# Altium PCB Tigershark 3D R2.4 - TR.PcbDoc (part 1 of 4) (continued)
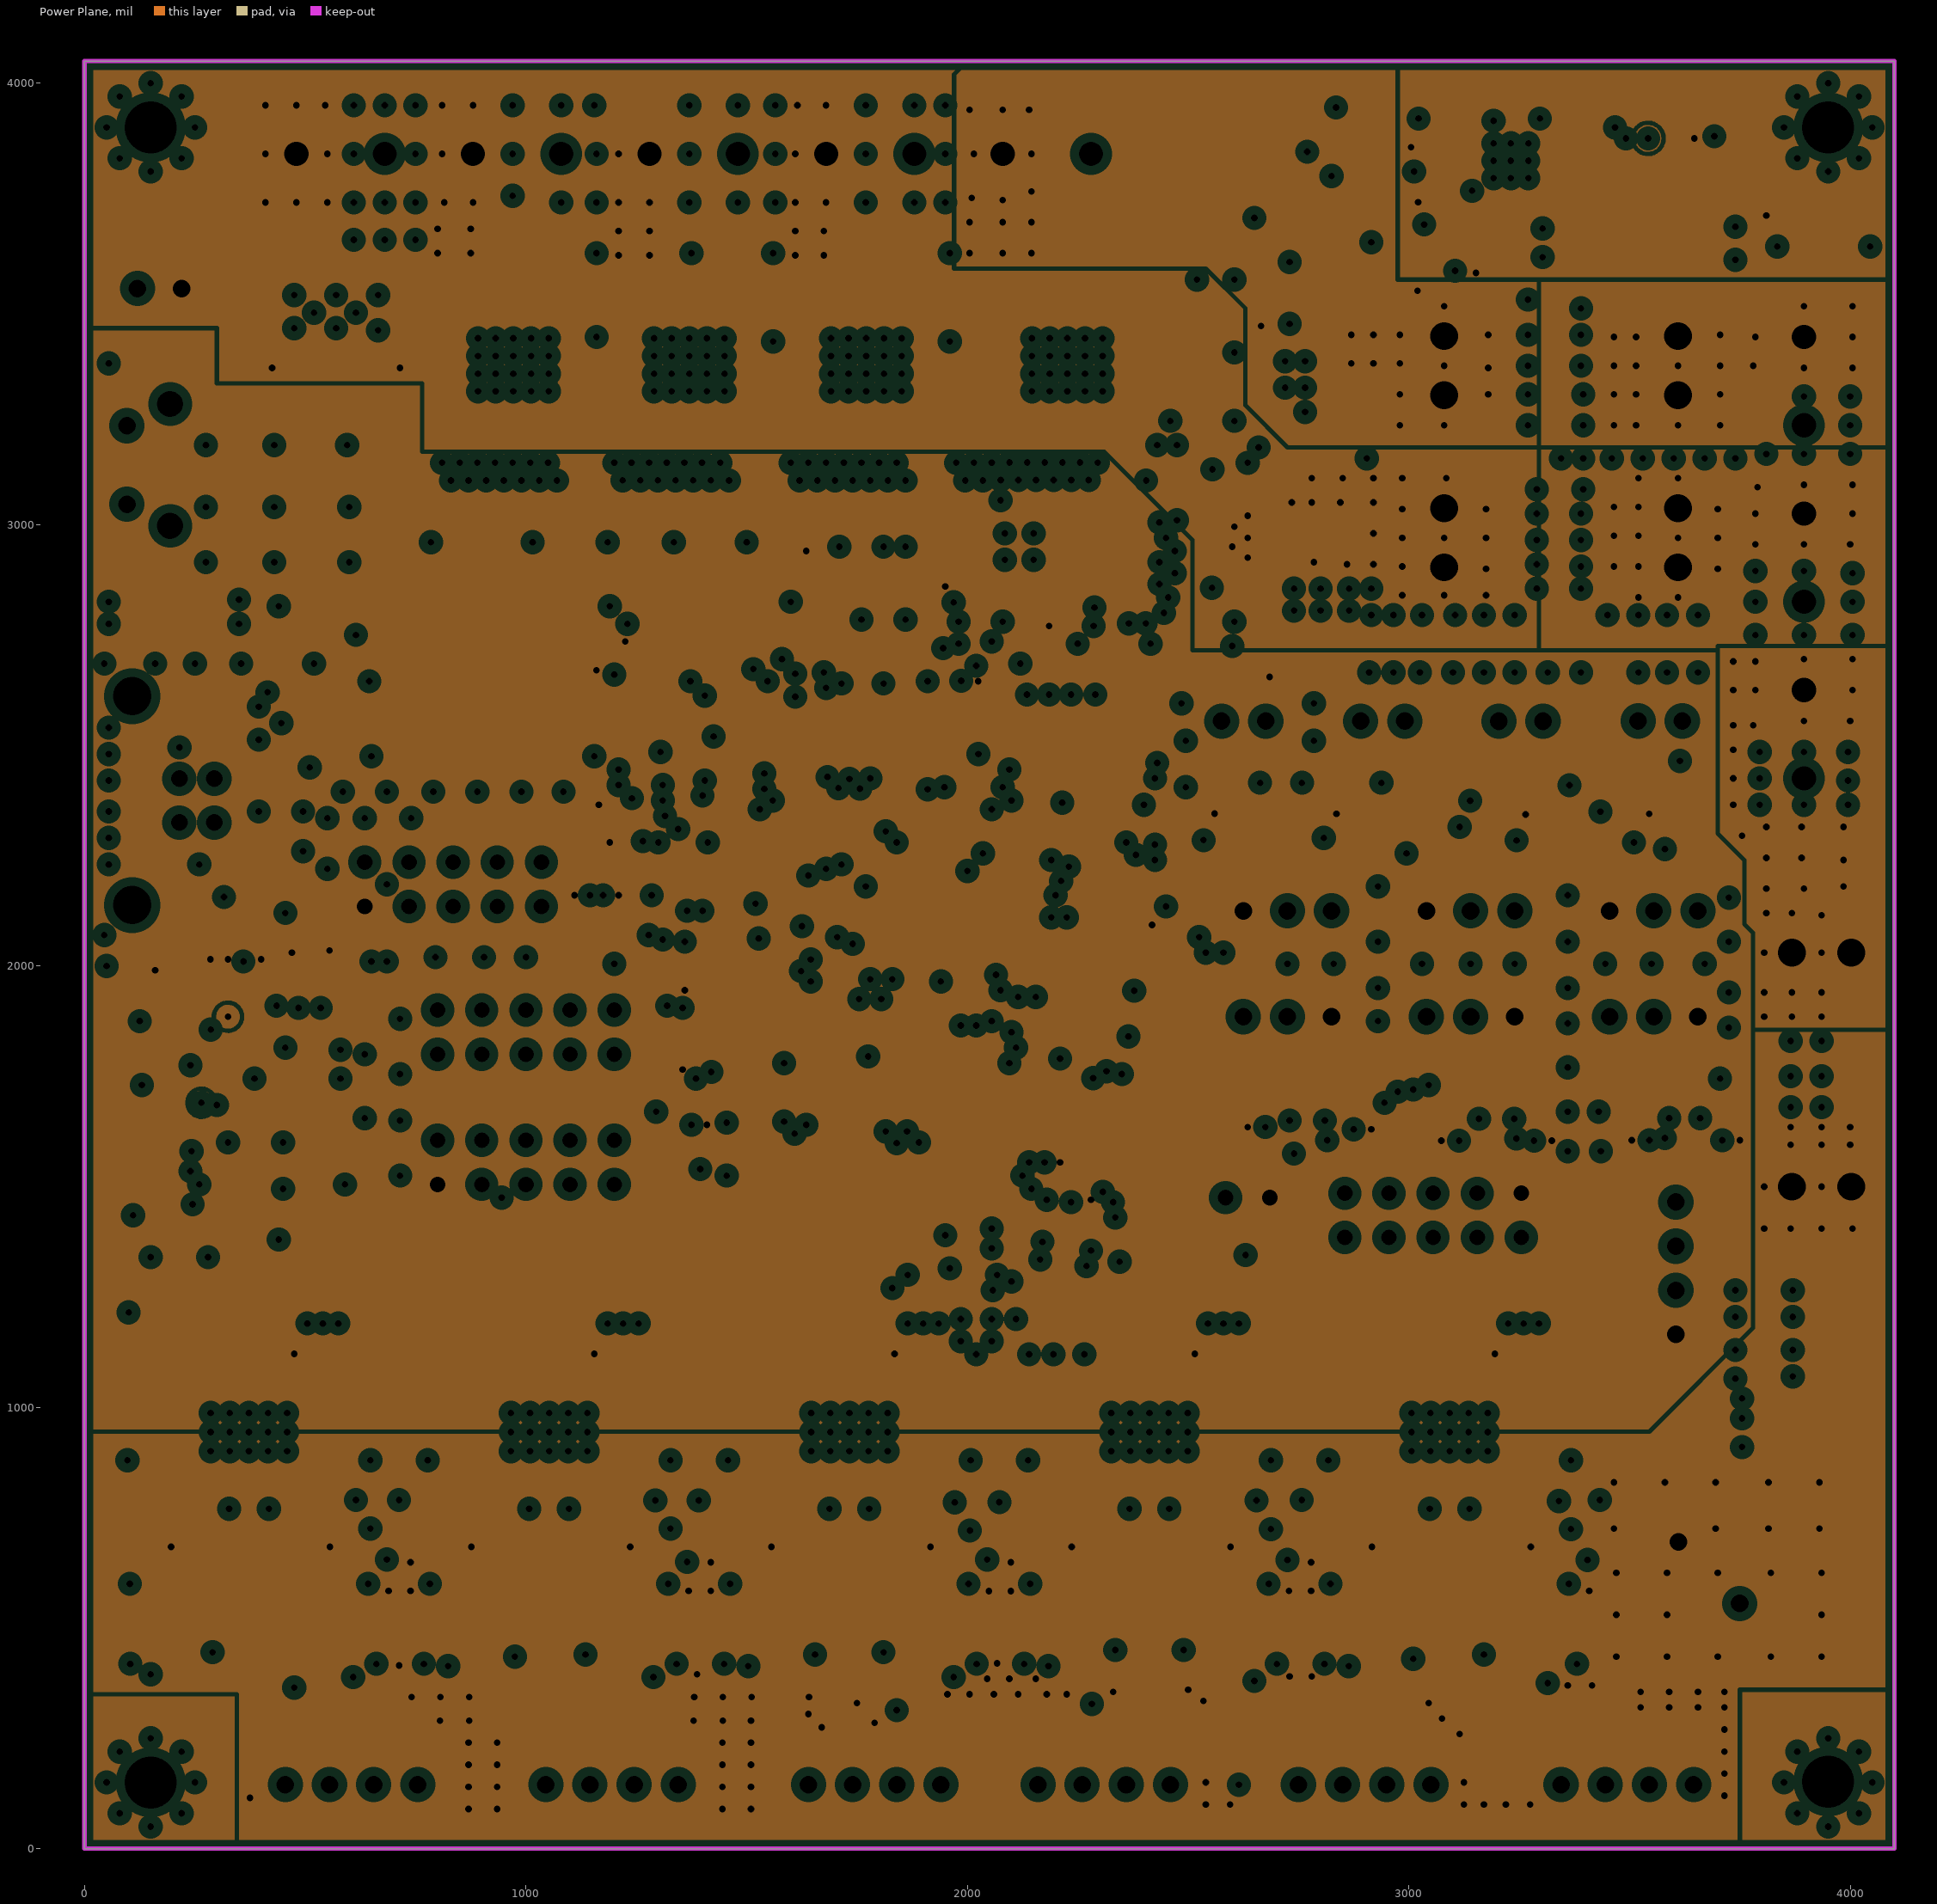
[diagram p3: Power Plane, clearances drawn from the general rule]

## Layer stack, top to bottom
Top Solder: solder mask 0.4, Solder Resist, Dk 3.5
Top Layer: signal copper 2.75
Dielectric1: prepreg 21.654, FR-4, Dk 4.2
Groun Plane: plane copper 1.4
Dielectric2: core 10.236, FR-4, Dk 4.2
Power Plane: plane copper 1.4
Dielectric3: prepreg 21.54, FR-4, Dk 4.2
Bottom Layer: signal copper 2.75
Bottom Solder: solder mask 0.4, Solder Resist, Dk 3.5

## Board outline
0,0 4100,0 4100,4050 0,4050

## Design rules (kind name [scope] priority, off if disabled: settings)
AcuteAngle [All] p1: minimum=6.00000000000000E+0001 checktracksonly=FALSE
Clearance [All] p1: gap=7
ComponentClearance [All] p1: gap=0 collisioncheckmode=3 verticalgap=10 showdistances=FALSE
DiffPairsRouting [All] p1: maxlimit=10 minlimit=10 mostfreqgap=10 toplayer_minwidth=15 toplayer_maxwidth=15 toplayer_prefwidth=15 bottomlayer_minwidth=15 bottomlayer_maxwidth=15 bottomlayer_prefwidth=15 maxuncoupledlength=500
FanoutControl Fanout_SOIC [(InComponent('U8') AND InComponent('U7'))] p3: bgadir=Out bgaviamode=Centered fanoutstyle=Staggered fanoutdirection=Alternating viagrid=1 // Fanout_SOIC (Default Rule)
FanoutControl Fanout_Small [All] p4: bgadir=Out bgaviamode=Centered fanoutstyle=Auto fanoutdirection=Alternating viagrid=1 // Fanout_Small (Default Rule)
HoleSize [All] p1: absolutevalues=TRUE maxlimit=200 minlimit=12 maxpercent=80.000 minpercent=20.000
MinimumSolderMaskSliver [All] p1 off: minsoldermaskwidth=10
PasteMaskExpansion [All] p1: expansion=-1
PlaneClearance [All] p1: clearance=20
PlaneConnect "Thermal Relief 50mil" [(InComponent('F1') or InComponent('F2') or InComponent('T1') or InComponent('T2') or InComponent('T3') or InComponent('C7'))] p1: planeconnectstyle=Relief reliefexpansion=20 reliefentries=4 reliefconductorwidth=10 reliefairgap=10
PlaneConnect "Thermal Relief 24mil" [(InComponent('P2_TR1') OR InComponent('P2_TR2') OR InComponent('MIN1_ES1') OR InNet('MAX_ES1') OR InComponent('MAX1_ES2') OR InComponent('MIN1_ES2') OR InComponent('MIN1_ES3') OR InComponent('MAX1_ES3') OR InComponent('S1') OR InComponent('USB') OR InComponent('P3') OR InComponent('P4') OR InComponent('P5') OR InComponent('P6')  OR InComponent('FAN-1') OR InComponent('FAN0') OR InComponent('P2'))] p2: planeconnectstyle=Relief reliefexpansion=20 reliefentries=4 reliefconductorwidth=10 reliefairgap=10
PlaneConnect [All] p3: planeconnectstyle=Direct reliefexpansion=35 reliefentries=4 reliefconductorwidth=50 reliefairgap=10
PolygonConnect "T3 Top" [InComponent('T3') vs ((InNet('NetF2_1') And OnLayer('Top Layer')) or (InNet('NetF1_1') And OnLayer('Top Layer')) or (InNet('GND') And OnLayer('Top Layer')) or (InNet('NetF3_1') And OnLayer('Top Layer')))] p1: connectstyle=Relief reliefconductorwidth=12 reliefentries=4 polygonreliefangle="90 Angle" airgapwidth=10
PolygonConnect "C7 Top" [InComponent('C7') vs InNet('+12VCC1') And OnLayer('Top Layer')] p2: connectstyle=Relief reliefconductorwidth=12 reliefentries=4 polygonreliefangle="90 Angle" airgapwidth=10
PolygonConnect "FAN-1 Top" [InComponent('FAN-1') vs ((InNet('+12VCC2') And OnLayer('Top Layer')) or (InNet('NetD10_C') And OnLayer('Top Layer')))] p3: connectstyle=Relief reliefconductorwidth=12 reliefentries=4 polygonreliefangle="90 Angle" airgapwidth=10
PolygonConnect "P5 Top" [InComponent('P5') vs InNet('GND') And OnLayer('Top Layer')] p4: connectstyle=Relief reliefconductorwidth=12 reliefentries=4 polygonreliefangle="90 Angle" airgapwidth=10
PolygonConnect "P2_TR2 Top" [InComponent('P2_TR2') vs InNet('GND') And OnLayer('Top Layer')] p5: connectstyle=Relief reliefconductorwidth=12 reliefentries=4 polygonreliefangle="90 Angle" airgapwidth=10
PolygonConnect "MIN1_ES1 Top" [InComponent('MIN1_ES1') vs InNet('GND') And OnLayer('Top Layer')] p6: connectstyle=Relief reliefconductorwidth=12 reliefentries=4 polygonreliefangle="90 Angle" airgapwidth=10
PolygonConnect "MIN1_ES1 Bottom" [InComponent('MIN1_ES1') vs InNet('GND') And OnLayer('Bottom Layer')] p7: connectstyle=Relief reliefconductorwidth=12 reliefentries=4 polygonreliefangle="90 Angle" airgapwidth=10
PolygonConnect "MIN1_ES2 Top" [InComponent('MIN1_ES2') vs InNet('GND') And OnLayer('Top Layer')] p8: connectstyle=Relief reliefconductorwidth=12 reliefentries=4 polygonreliefangle="90 Angle" airgapwidth=10
PolygonConnect "MIN1_ES2 Bottom" [InComponent('MIN1_ES2') vs InNet('GND') And OnLayer('Bottom Layer')] p9: connectstyle=Relief reliefconductorwidth=12 reliefentries=4 polygonreliefangle="90 Angle" airgapwidth=10
PolygonConnect "MIN1_ES3 Top" [InComponent('MIN1_ES3') vs InNet('GND') And OnLayer('Top Layer')] p10: connectstyle=Relief reliefconductorwidth=12 reliefentries=4 polygonreliefangle="90 Angle" airgapwidth=10
PolygonConnect "MIN1_ES3 Bottom" [InComponent('MIN1_ES3') vs InNet('GND') And OnLayer('Bottom Layer')] p11: connectstyle=Relief reliefconductorwidth=12 reliefentries=4 polygonreliefangle="90 Angle" airgapwidth=10
PolygonConnect "MAX1_ES1 Top" [InComponent('MAX1_ES1') vs InNet('GND') And OnLayer('Top Layer')] p12: connectstyle=Relief reliefconductorwidth=12 reliefentries=4 polygonreliefangle="90 Angle" airgapwidth=10
PolygonConnect "MAX1_ES1 Bottom" [InComponent('MAX1_ES1') vs InNet('GND') And OnLayer('Bottom Layer')] p13: connectstyle=Relief reliefconductorwidth=12 reliefentries=4 polygonreliefangle="90 Angle" airgapwidth=10
PolygonConnect "MAX1_ES2 Top" [InComponent('MAX1_ES2') vs InNet('GND') And OnLayer('Top Layer')] p14: connectstyle=Relief reliefconductorwidth=12 reliefentries=4 polygonreliefangle="90 Angle" airgapwidth=10
PolygonConnect "MAX1_ES2 Bottom" [InComponent('MAX1_ES2') vs InNet('GND') And OnLayer('Bottom Layer')] p15: connectstyle=Relief reliefconductorwidth=12 reliefentries=4 polygonreliefangle="90 Angle" airgapwidth=10
PolygonConnect "MAX1_ES3 Top" [InComponent('MAX1_ES3') vs InNet('GND') And OnLayer('Top Layer')] p16: connectstyle=Relief reliefconductorwidth=12 reliefentries=4 polygonreliefangle="90 Angle" airgapwidth=10
PolygonConnect "MAX1_ES3 Bottom" [InComponent('MAX1_ES3') vs InNet('GND') And OnLayer('Bottom Layer')] p17: connectstyle=Relief reliefconductorwidth=12 reliefentries=4 polygonreliefangle="90 Angle" airgapwidth=10
PolygonConnect "P2_TR1 Top" [InComponent('P2_TR1') vs InNet('GND') And OnLayer('Top Layer')] p18: connectstyle=Relief reliefconductorwidth=12 reliefentries=4 polygonreliefangle="90 Angle" airgapwidth=10
PolygonConnect "P2_TR3 Top" [InComponent('P2_TR3') vs InNet('GND') And OnLayer('Top Layer')] p19: connectstyle=Relief reliefconductorwidth=12 reliefentries=4 polygonreliefangle="90 Angle" airgapwidth=10
PolygonConnect "P2_TR4 Top" [InComponent('P2_TR4') vs InNet('GND') And OnLayer('Top Layer')] p20: connectstyle=Relief reliefconductorwidth=12 reliefentries=4 polygonreliefangle="90 Angle" airgapwidth=10
PolygonConnect "P6 Top" [InComponent('P6') vs InNet('GND') And OnLayer('Top Layer')] p21: connectstyle=Relief reliefconductorwidth=12 reliefentries=4 polygonreliefangle="90 Angle" airgapwidth=10
PolygonConnect "P4 Top" [InComponent('P4') vs InNet('GND') And OnLayer('Top Layer')] p22: connectstyle=Relief reliefconductorwidth=12 reliefentries=4 polygonreliefangle="90 Angle" airgapwidth=10
PolygonConnect "P3 Top" [InComponent('P3') vs InNet('GND') And OnLayer('Top Layer')] p23: connectstyle=Relief reliefconductorwidth=12 reliefentries=4 polygonreliefangle="90 Angle" airgapwidth=10
PolygonConnect "P5 Bottom" [InComponent('P5') vs InNet('GND') And OnLayer('Bottom Layer')] p24: connectstyle=Relief reliefconductorwidth=12 reliefentries=4 polygonreliefangle="90 Angle" airgapwidth=10
PolygonConnect "P2_TR2 Bottom" [InComponent('P2_TR2') vs InNet('GND') And OnLayer('Bottom Layer')] p25: connectstyle=Relief reliefconductorwidth=12 reliefentries=4 polygonreliefangle="90 Angle" airgapwidth=10
PolygonConnect "P2_TR1 Bottom" [InComponent('P2_TR1') vs InNet('GND') And OnLayer('Bottom Layer')] p26: connectstyle=Relief reliefconductorwidth=12 reliefentries=4 polygonreliefangle="90 Angle" airgapwidth=10
PolygonConnect "P2_TR4 Bottom" [InComponent('P2_TR4') vs InNet('GND') And OnLayer('Bottom Layer')] p27: connectstyle=Relief reliefconductorwidth=12 reliefentries=4 polygonreliefangle="90 Angle" airgapwidth=10
PolygonConnect "P2_TR3 Bottom" [InComponent('P2_TR3') vs InNet('GND') And OnLayer('Bottom Layer')] p28: connectstyle=Relief reliefconductorwidth=12 reliefentries=4 polygonreliefangle="90 Angle" airgapwidth=10
PolygonConnect "P6 Bottom" [InComponent('P6') vs InNet('GND') And OnLayer('Bottom Layer')] p29: connectstyle=Relief reliefconductorwidth=12 reliefentries=4 polygonreliefangle="90 Angle" airgapwidth=10
PolygonConnect "P4 Bottom" [InComponent('P4') vs InNet('GND') And OnLayer('Bottom Layer')] p30: connectstyle=Relief reliefconductorwidth=12 reliefentries=4 polygonreliefangle="90 Angle" airgapwidth=10
PolygonConnect "P3 Bottom" [InComponent('P3') vs InNet('GND') And OnLayer('Bottom Layer')] p31: connectstyle=Relief reliefconductorwidth=12 reliefentries=4 polygonreliefangle="90 Angle" airgapwidth=10
PolygonConnect "C7 Bottom" [InComponent('C7') vs InNet('+12VCC1') And OnLayer('Bottom Layer')] p32: connectstyle=Relief reliefconductorwidth=35 reliefentries=4 polygonreliefangle="90 Angle" airgapwidth=10
PolygonConnect "FAN-1 Bottom" [InComponent('FAN-1') vs ((InNet('+12VCC2') And OnLayer('Bottom Layer')) or (InNet('NetD10_C') And OnLayer('Bottom Layer')))] p33: connectstyle=Relief reliefconductorwidth=35 reliefentries=4 polygonreliefangle="90 Angle" airgapwidth=10
PolygonConnect "T3 Bottom" [InComponent('T3') vs ((InNet('NetF2_1') And OnLayer('Bottom Layer')) or (InNet('NetF1_1') And OnLayer('Bottom Layer')) or (InNet('GND') And OnLayer('Bottom Layer'))or (InNet('NetF3_1') And OnLayer('Bottom Layer')))] p34: connectstyle=Relief reliefconductorwidth=50 reliefentries=4 polygonreliefangle="90 Angle" airgapwidth=10
PolygonConnect "F2 Top" [InComponent('F2') vs ((InNet('NetF2_1') And OnLayer('Top Layer')) or (InNet('+12VCC3') And Onlayer('Top Layer')))] p35: connectstyle=Relief reliefconductorwidth=12 reliefentries=4 polygonreliefangle="90 Angle" airgapwidth=10
PolygonConnect "F3 Top" [InComponent('F3') vs ((InNet('NetF3_1') And OnLayer('Top Layer')) or (InNet('+12VCC1') And Onlayer('Top Layer')))] p36: connectstyle=Relief reliefconductorwidth=12 reliefentries=4 polygonreliefangle="90 Angle" airgapwidth=10
PolygonConnect "F2 Bottom" [InComponent('F2') vs ((InNet('NetF2_1') And OnLayer('Bottom Layer')) or (InNet('+12VCC3') And Onlayer('Bottom Layer')))] p37: connectstyle=Relief reliefconductorwidth=50 reliefentries=4 polygonreliefangle="90 Angle" airgapwidth=10
PolygonConnect "F3 Bottom" [InComponent('F3') vs ((InNet('NetF3_1') And OnLayer('Bottom Layer')) or (InNet('+12VCC1') And Onlayer('Bottom Layer')))] p38: connectstyle=Relief reliefconductorwidth=50 reliefentries=4 polygonreliefangle="90 Angle" airgapwidth=10
PolygonConnect "F1 Top" [InComponent('F1') vs ((InNet('+12VCC2') And OnLayer('Top Layer')) or (InNet('NetF1_1') And OnLayer('Top Layer')))] p39: connectstyle=Relief reliefconductorwidth=12 reliefentries=4 polygonreliefangle="90 Angle" airgapwidth=10
PolygonConnect "F1 Bottom" [InComponent('F1') vs ((InNet('+12VCC2') And OnLayer('Bottom Layer')) or (InNet('NetF1_1') And OnLayer('Bottom Layer')))] p40: connectstyle=Relief reliefconductorwidth=50 reliefentries=4 polygonreliefangle="90 Angle" airgapwidth=10
PolygonConnect "T1 Top" [InComponent('T1') vs ((InNet('+12VCC2') And OnLayer('Top Layer'))or(InNet('HTR0') And OnLayer('Top Layer')) or (InNet('HTR1') And OnLayer('Top Layer')) or (InNet('HTRA') And OnLayer('Top Layer')) or (InNet('+12VCC3') And OnLayer('Top Layer')) or (InNet('FN1') And OnLayer('Top Layer')) )] p41: connectstyle=Relief reliefconductorwidth=12 reliefentries=4 polygonreliefangle="90 Angle" airgapwidth=10
PolygonConnect "T1 Top HTBD" [InComponent('T1') vs ((InNet('HTBD') And OnLayer('Top Layer')) )] p42: connectstyle=Relief reliefconductorwidth=50 reliefentries=4 polygonreliefangle="90 Angle" airgapwidth=10
PolygonConnect "T1 Bottom" [InComponent('T1') vs ((InNet('+12VCC2') And OnLayer('Bottom Layer'))or(InNet('HTR0') And OnLayer('Bottom Layer')) or (InNet('HTR1') And OnLayer('Bottom Layer')) or (InNet('HTRA') And OnLayer('Bottom Layer')) or (InNet('HTBD') And OnLayer('Bottom Layer')) or (InNet('+12VCC3') And OnLayer('Bottom Layer'))or (InNet('FN1') And OnLayer('Bottom Layer')))] p43: connectstyle=Relief reliefconductorwidth=50 reliefentries=4 polygonreliefangle="90 Angle" airgapwidth=10
PolygonConnect [All] p44: connectstyle=Direct reliefconductorwidth=10 reliefentries=4 polygonreliefangle="90 Angle" airgapwidth=10
RoutingVias [All] p1: holewidth=15 width=25 viastyle="Through Hole" minholewidth=15 minwidth=25 maxholewidth=28 maxwidth=50
SMDToCorner [All] p1: distance=30000
SilkToSilkClearance [All] p1 off: silktosilkclearance=10
SilkToSolderMaskClearance SilkscreenOverComponentPads [IsPad] p1 off: minsilkscreentomaskgap=10 clearancetoexposedcopper=TRUE
SolderMaskExpansion [All] p1: expansion=4
Width Width_1 [InNet(UMCU_N) And InNet(UMCU_P)] p1: maxlimit=8 minlimit=8 preferedwidth=8
Width [All] p2: maxlimit=200 minlimit=7 preferedwidth=8 minimp=50.000000 maximp=50.000000 favimp=50.000000
19 further rules are at their usual default settings.

## Classes and differential pairs
net class STEP_BUS[1..4]: STEP_BUS1 STEP_BUS2 STEP_BUS3 STEP_BUS4
net class REF_BUS[1..4]: REF_BUS1 REF_BUS2 REF_BUS3 REF_BUS4
net class MOD2E_BUS[1..4]: MOD2E_BUS1 MOD2E_BUS2 MOD2E_BUS3 MOD2E_BUS4
net class MOD1E_BUS[1..4]: MOD1E_BUS1 MOD1E_BUS2 MOD1E_BUS3 MOD1E_BUS4
net class MOD0E_BUS[1..4]: MOD0E_BUS1 MOD0E_BUS2 MOD0E_BUS3 MOD0E_BUS4
net class EN_BUS[1..4]: EN_BUS1 EN_BUS2 EN_BUS3 EN_BUS4
net class DIR_BUS[1..4]: DIR_BUS1 DIR_BUS2 DIR_BUS3 DIR_BUS4
channel class TR: TR1 TR2
channel class M: M1 M2 M3 M4 M5
channel class ES: ES1 ES2 ES3
component class TR2: C30_TR2 D3_ThermistorChannel2 D3_TR2 D5_ThermistorChannel2 D5_TR2 P2_TR2 R14_TR2 R19_ThermistorChannel2 R19_TR2 TP52_TR2
component class TR1: C30_ThermistorChannel1 C30_TR1 D3_ThermistorChannel1 D3_TR1 D5_ThermistorChannel1 D5_TR1 P2_TR1 R14_TR1 R19_ThermistorChannel1 R19_TR1 TP52_TR1
net class MIN_ES_BUS[1..3]: MIN_ES0
net class MAX_ES_BUS[1..3]: MAX_ES0
component class Designator: C7 C9 C10 C11 C15 C16 C18 C21 C22 C40 C77 C78 C79 C80 C81 C82 D1 D2 D4 D6 D7 F1 F2 F3 H1 H2 H3 H4 JP1 L1 LED1 R1 R7 R9 R10 R11 R12 R17 T3 T4 TP2 TP31 TP34 TP48 TP49 TP50 TP51 TP53 TP54 U1 U2
component class "ATSAM3X8E Main Controller - TR R1.1": C4 C13 C19 C23 C24 C27 C28 C29 C32 C33 C34 C36 C37 C38 C39 C41 C42 C43 C44 C45 C46 C47 C48 C53 C54 C55 C56 C57 C58 C59 C60 C61 C63 C64 C65 C73 C74 D8 D9 D24 D29 DA1 DA2 DA3 DA4 FB4 FB5 FB6 FB7 FB8 FB9 FD1 FD2 FD3 GND_TP J1 J2 LOGO1 microSD P1 P3 P4 P5 P6 R4 R5 R6 R15 R16 R18 R20 R21 R22 R23 R24 R25 R26 R28 R29 R34 R35 R40 R41 R42 R43 S1 SD TP6 TP7 TP8 TP28 TP29 TP30 TP55 TP56 TP57 TP58 TP59 TP60 TP61 TP62 U3 U6 U9 X2
component class M1: C3_M1 C5_M1 C6_M1 C8_M1 C12_M1 C14_M1 C66_M1 C68_M1 C71_M1 C75_M1 D20_M1 D21_M1 D22_M1 D23_M1 M1_M1 R8_M1 R30_M1 R31_M1 R32_DriverChannelDRV88251 R32_M1 R33_DriverChannelDRV88251 R33_M1 TP1_M1 TP24_M1 TP25_M1 TP26_M1 TP27_M1 TP32_M1 TP33_M1 TP35_M1 TP36_M1 TP37_M1 TP39_M1 TP40_M1 U7_M1
component class M2: C3_M2 C5_M2 C6_M2 C8_M2 C12_M2 C14_M2 C66_M2 C68_M2 C71_M2 C75_M2 D20_M2 D21_M2 D22_M2 D23_M2 M1_M2 R8_M2 R30_M2 R31_M2 R32_DriverChannelDRV88252 R32_M2 R33_DriverChannelDRV88252 R33_M2 TP1_M2 TP24_M2 TP25_M2 TP26_M2 TP27_M2 TP32_M2 TP33_M2 TP35_M2 TP36_M2 TP37_M2 TP39_M2 TP40_M2 U7_M2
component class M3: C3_M3 C5_M3 C6_M3 C8_M3 C12_M3 C14_M3 C66_M3 C68_M3 C71_M3 C75_M3 D20_M3 D21_M3 D22_M3 D23_M3 M1_M3 R8_M3 R30_M3 R31_M3 R32_DriverChannelDRV88253 R32_M3 R33_DriverChannelDRV88253 R33_M3 TP1_M3 TP24_M3 TP25_M3 TP26_M3 TP27_M3 TP32_M3 TP33_M3 TP35_M3 TP36_M3 TP37_M3 TP39_M3 TP40_M3 U7_M3
component class M4: C3_M4 C5_M4 C6_M4 C8_M4 C12_M4 C14_M4 C66_M4 C68_M4 C71_M4 C75_M4 D20_M4 D21_M4 D22_M4 D23_M4 M1_M4 R8_M4 R30_M4 R31_M4 R32_DriverChannelDRV88254 R32_M4 R33_DriverChannelDRV88254 R33_M4 TP1_M4 TP24_M4 TP25_M4 TP26_M4 TP27_M4 TP32_M4 TP33_M4 TP35_M4 TP36_M4 TP37_M4 TP39_M4 TP40_M4 U7_M4
component class U_MZ: C35 C49 C50 C51 C52 C62 C67 C69 C70 C72 D25 D26 D27 D28 M2 M3 R27 R32_DriverChannelDRV88255 R33_DriverChannelDRV88255 R36 R37 R38 R39 TP3 TP4 TP5 TP15 TP16 TP17 TP18 TP19 TP20 TP21 TP22 TP23 U5
component class ES1: C1_ES1 C2_ES1 MAX1_ES1 MIN1_ES1 R2_ES1 R3_ES1 TP9_ES1 TP10_ES1
component class ES2: C1_ES2 C2_ES2 MAX1_ES2 MIN1_ES2 R2_ES2 R3_ES2 TP9_ES2 TP10_ES2
component class ES3: C1_ES3 C2_ES3 MAX1_ES3 MIN1_ES3 R2_ES3 R3_ES3 TP9_ES3 TP10_ES3
component class "U_MOSFETs and Driver": C17 C20 C25 C26 D10 D11 D12 D13 D14 D15 D16 D17 D18 D19 FAN-1 Q1 Q4 Q5 Q6 Q7 R13 R45 R46 R47 R52 R55 R56 R58 R59 R60 R62 R63 R64 R66 R67 R68 R70 R71 T1 TP11 TP12 TP13 TP14 TP38 TP41 TP42 TP43 TP44 TP45 TP46 TP47 U8
component class TR3: C30_TR3 D3_TR3 D5_TR3 P2_TR3 R14_TR3 R19_TR3 TP52_TR3
component class TR4: C30_TR4 D3_TR4 D5_TR4 P2_TR4 R14_TR4 R19_TR4 TP52_TR4
net class THERM_AN_BUS[1..4]: THERM_AN_BUS1 THERM_AN_BUS2 THERM_AN_BUS3 THERM_AN_BUS4
differential pair R: +R_P -R_N
differential pair UD: +UD_P -UD_N
differential pair UI: +UI_P -UI_N
differential pair UMCU: +UMCU_P -UMCU_N

## Components (designator, comment, footprint, x,y, rotation, side; value= is the part's Value field where it differs from the comment)
C1_ES1 "4.7nF" C0402 2870,1685 r90 top (schematic designator C1)
C1_ES2 "4.7nF" C0402 3710,1660 r90 top (schematic designator C1)
C1_ES3 "4.7nF" C0402 3283.9,1658.9 r90 top (schematic designator C1)
C2_ES1 "4.7nF" C0402 2670,1685 r90 top (schematic designator C2)
C2_ES2 "4.7nF" C0402 3540,1660 r90 top (schematic designator C2)
C2_ES3 "4.7nF" C0402 3113.9,1658.9 r90 top (schematic designator C2)
C3_M1 "10nF" C0603 220,405 r180 top (schematic designator C3)
C3_M2 "10nF" C0603 890.49,396 r180 top (schematic designator C3)
C3_M3 "10nF" C0603 2255,405 r180 top (schematic designator C3)
C3_M4 "10nF" C0603 2930.49,396 r180 top (schematic designator C3)
C4 "47uF" C0805 340,1960 r0 top
C5_M1 "10nF" C0603 320,405 r180 top (schematic designator C5)
C5_M2 "10nF" C0603 990.49,396 r180 top (schematic designator C5)
C5_M3 "10nF" C0603 2350,405 r180 top (schematic designator C5)
C5_M4 "10nF" C0603 3030.49,396 r180 top (schematic designator C5)
C6_M1 "10nF" C0603 535,405 r0 top (schematic designator C6)
C6_M2 "10nF" C0603 1214.49,395 r0 top (schematic designator C6)
C6_M3 "10nF" C0603 2575,405 r0 top (schematic designator C6)
C6_M4 "10nF" C0603 3254.49,395 r0 top (schematic designator C6)
C7 "470uF" C12,5-5 3680,625 r315 top
C8_M1 "10nF" C0603 430,405 r180 top (schematic designator C8)
C8_M2 "10nF" C0603 1114.49,395 r180 top (schematic designator C8)
C8_M3 "10nF" C0603 2475,405 r180 top (schematic designator C8)
C8_M4 "10nF" C0603 3154.49,395 r180 top (schematic designator C8)
C9 "4.7uF" C1206#1 3193.31,3942.43 r0 top
C10 "1uF" C0805 3066.18,3919.49 r90 top
C11 "100nF" C0603 3738,3911 r270 top
C12_M1 "0402" C0402 505,1145 r270 top (schematic designator C12)
C12_M2 "0402" C0402 1185,1145 r270 top (schematic designator C12)
C12_M3 "0402" C0402 2545,1145 r270 top (schematic designator C12)
C12_M4 "0402" C0402 3225,1145 r270 top (schematic designator C12)
C13 "0603" C0603 1430,1705 r270 top
C14_M1 "0402" C0402 540,1145 r270 top (schematic designator C14)
C14_M2 "0402" C0402 1220,1145 r270 top (schematic designator C14)
C14_M3 "0402" C0402 2580,1145 r270 top (schematic designator C14)
C14_M4 "0402" C0402 3260,1145 r270 top (schematic designator C14)
C15 "EEE-1VA101XP" EEE-1VA101XP 2820,3510 r0 top
C16 "EEE-1VA101XP" EEE-1VA101XP 2555,2875 r90 top
C17 "0603" C0603 2025,2825 r0 top
C18 "EEE-1VA101XP" EEE-1VA101XP 2600,3795 r90 top
C19 "4.7nF" C0402 650,1960 r90 top
C20 "0402" C0402 2030,2780 r0 top
C21 "10uF" C0805 3393.31,3948.43 r180 top
C22 "1uF" C0402 3138.31,3725.43 r0 top
C23 "100nF" C0402 2140,1610 r270 top
C24 "0402" C0402 405,2175 r90 top
C25 "0603" C0603 2230,2815 r180 top
C26 "0402" C0402 2240,2770 r180 top
C27 "100nF" C0402 1385,1695 r90 top
C28 "0603" C0603 1265,2225 r270 top
C29 "0603" C0603 715,1820 r270 top
C30_TR1 "100nF" C0402 2886,2415.05 r0 top (schematic designator C30)
C30_TR2 "100nF" C0402 2611,2415.05 r0 top (schematic designator C30)
C30_TR3 "100nF" C0402 3594.53,2415 r0 top (schematic designator C30)
C30_TR4 "100nF" C0402 3314.53,2410 r0 top (schematic designator C30)
C32 "0603" C0603 1630,2735 r0 top
C33 "100nF" C0402 1630,2690 r180 top
C34 "100nF" C0402 2280,1405 r270 top
C35 "100nF" C0603 1482.49,700 r270 top
C36 "0603" C0603 1325,2130 r270 top